# Allegro board meta_carrier_lay_rev1.brd (continued)
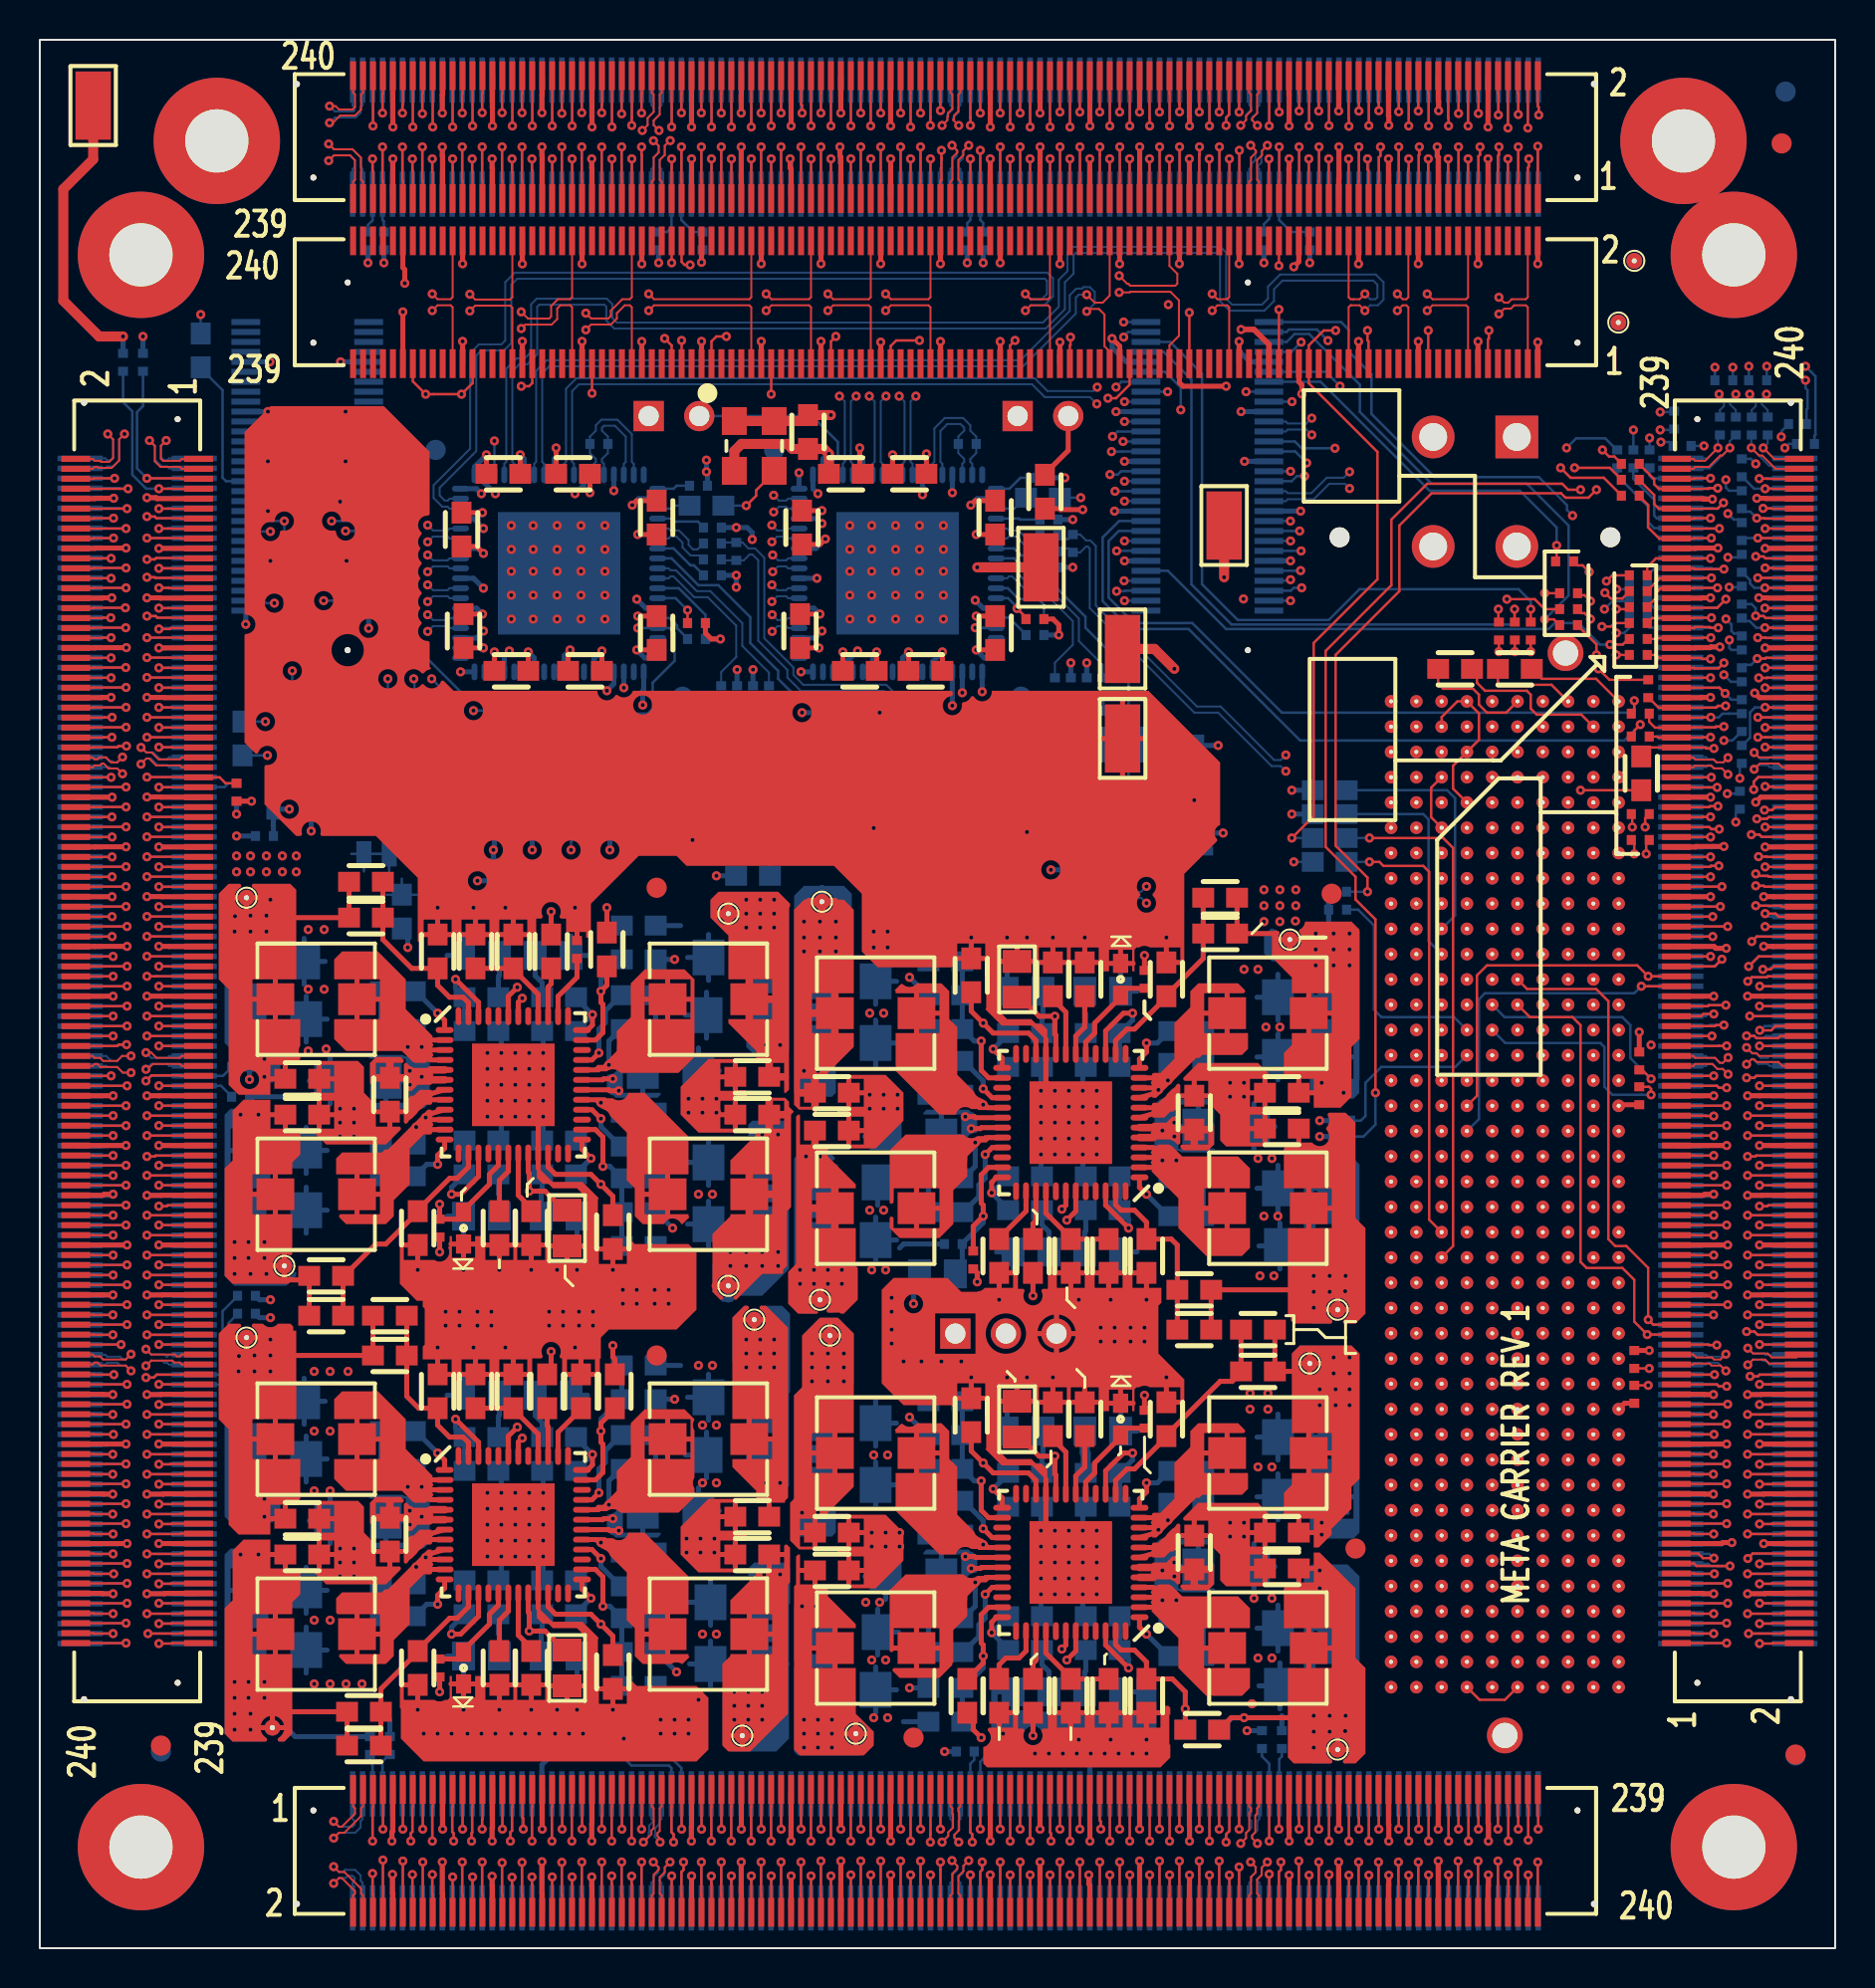
[diagram p0: board, top side]
## Routing (per net, layer and track width the routed paths; a pad name or vN(x,y) marks a point on that pad's centre or on a via; arc(x,y) is an arc through that point) (continued)
  GND_L13 w0.254: 79.3,38.52 79.3,39.08 ; 79.3,38.52 79.86,38.52 ; 79.3,38.52 79.3,37.95 ; 79.3,38.52 78.73,38.52 ; 68.57,25.81 P1.B11 ; P1.B11 69.14,26.38 ; P1.B11 69.14,25.25 ; P1.B11 69.7,25.81 ; 75.48,56.3 75.48,56.86 ; 75.48,56.3 76.05,56.3 ; 75.48,56.3 75.48,55.73 ; 75.48,56.3 74.92,56.3 ; 78.02,44.3 P1.J26 ; P1.J26 78.59,44.86 ; P1.J26 78.02,45.43 ; P1.J26 77.46,44.86 ; P1.B2 69.7,14.38 ; P1.B2 69.14,14.95 ; P1.B2 68.57,14.38 ; P1.B2 69.14,13.82 ; 68.57,20.73 69.14,20.73 ; 69.14,20.73 69.7,20.73 ; 69.14,20.73 69.14,21.3 ; 69.14,20.73 69.14,20.17 ; 67.3,23.27 67.86,23.27 ; 67.86,23.27 67.86,23.84 ; 67.86,23.27 68.43,23.27 ; 67.86,23.27 67.86,22.71 ; 78.73,34.7 P1.K18 ; P1.K18 79.3,35.27 ; P1.K18 79.3,34.14 ; P1.K18 79.86,34.7 ; P1.D13 71.67,28.92 ; P1.D13 71.11,28.35 ; P1.D13 71.67,27.79 ; P1.D13 72.24,28.35 ; 72.38,25.81 P1.E11 ; P1.E11 72.94,26.38 ; P1.E11 72.94,25.25 ; P1.E11 73.51,25.81 ; P1.D22 71.67,40.35 ; P1.D22 71.67,39.22 ; P1.D22 71.11,39.78 ; P1.D22 72.24,39.78 ; 69.84,52.48 P1.C32 ; P1.C32 70.97,52.48 ; P1.C32 70.41,51.92 ; P1.C32 70.41,53.05 ; P1.H39 76.75,61.94 ; P1.H39 77.32,61.38 ; P1.H39 76.75,60.81 ; P1.H39 76.19,61.38 ; 77.46,18.2 78.02,18.2 ; 78.02,18.2 78.59,18.2 ; 78.02,18.2 78.02,18.76 ; 78.02,18.2 78.02,17.63 ; P1.C20 70.97,37.24 ; P1.C20 70.41,36.68 ; P1.C20 69.84,37.24 ; P1.C20 70.41,37.81 ; 77.46,22.01 P1.J8 ; P1.J8 78.02,22.57 ; P1.J8 78.59,22.01 ; P1.J8 78.02,21.44 ; P1.E4 73.51,16.93 ; P1.E4 72.38,16.93 ; P1.E4 72.94,16.36 ; P1.E4 72.94,17.49 ; 76.75,26.52 P1.H12 ; P1.H12 77.32,27.09 ; P1.H12 76.19,27.09 ; P1.H12 76.75,27.65 ; 51.06,29.87 J10.3 ; J10.3 52.07,30.88 ; J10.3 50.05,30.88 ; J10.3 51.06,31.89 ; P1.C38 70.97,60.1 ; P1.C38 70.41,60.67 ; P1.C38 69.84,60.1 ; P1.C38 70.41,59.54 ; P1.B22 69.14,40.35 ; P1.B22 69.14,39.22 ; P1.B22 68.57,39.78 ; P1.B22 69.7,39.78 ; 67.3,58.84 67.86,58.84 ; 67.86,58.84 67.86,58.27 ; 67.86,58.84 68.43,58.84 ; 67.86,58.84 67.86,59.4 ; P1.F27 74.78,46.13 ; P1.F27 73.65,46.13 ; P1.F27 74.22,46.7 ; P1.F27 74.22,45.57 ; 75.48,25.25 P1.G11 ; P1.G11 76.05,25.81 ; P1.G11 74.92,25.81 ; P1.G11 75.48,26.38 ; 79.3,18.9 P1.K6 ; P1.K6 79.86,19.46 ; P1.K6 78.73,19.46 ; P1.K6 79.3,20.03 ; J7.1 75.51,75.93 ; J7.1 74.18,77.26 ; J7.1 72.85,75.93 ; J7.1 74.18,74.6 ; P1.J4 78.59,16.93 ; P1.J4 77.46,16.93 ; P1.J4 78.02,17.49 ; P1.J4 78.02,16.36 ; 79.3,30.9 79.86,30.9 ; 79.3,30.9 79.3,31.46 ; 79.3,30.9 79.3,30.33 ; 79.3,30.9 78.73,30.9 ; P1.A20 68.43,37.24 ; P1.A20 67.86,36.68 ; P1.A20 67.3,37.24 ; P1.A20 67.86,37.81 ; P1.C28 70.97,47.41 ; P1.C28 69.84,47.41 ; P1.C28 70.41,47.97 ; P1.C28 70.41,46.84 ; 71.67,23.98 P1.D10 ; P1.D10 72.24,24.55 ; P1.D10 71.67,25.11 ; P1.D10 71.11,24.55 ; P1.C13 70.97,28.35 ; P1.C13 69.84,28.35 ; P1.C13 70.41,28.92 ; P1.C13 70.41,27.79 ; 72.94,48.11 P1.E29 ; P1.E29 73.51,48.67 ; P1.E29 72.94,49.24 ; P1.E29 72.38,48.67 ; P1.J32 78.59,52.48 ; P1.J32 78.02,51.92 ; P1.J32 77.46,52.48 ; P1.J32 78.02,53.05 ; P1.G38 75.48,60.67 ; P1.G38 75.48,59.54 ; P1.G38 76.05,60.1 ; P1.G38 74.92,60.1 ; 76.19,19.46 P1.H6 ; P1.H6 76.75,18.9 ; P1.H6 77.32,19.46 ; P1.H6 76.75,20.03 ; P1.A4 67.86,17.49 ; P1.A4 67.3,16.93 ; P1.A4 68.43,16.93 ; P1.A4 67.86,16.36 ; 74.22,26.52 P1.F12 ; P1.F12 74.22,27.65 ; P1.F12 74.78,27.09 ; P1.F12 73.65,27.09 ; 69.84,32.16 P1.C16 ; P1.C16 70.97,32.16 ; P1.C16 70.41,31.6 ; P1.C16 70.41,32.73 ; 68.57,46.13 P1.B27 ; P1.B27 69.14,46.7 ; P1.B27 69.14,45.57 ; P1.B27 69.7,46.13 ; P1.B38 69.7,60.1 ; P1.B38 68.57,60.1 ; P1.B38 69.14,59.54 ; P1.B38 69.14,60.67 ; P1.G14 76.05,29.62 ; P1.G14 74.92,29.62 ; P1.G14 75.48,29.06 ; P1.G14 75.48,30.19 ; J7.2 71.31,75.93 ; J7.2 69.98,77.26 ; J7.2 69.98,74.6 ; J7.2 68.65,75.93 ; 69.84,27.09 P1.C12 ; P1.C12 70.97,27.09 ; P1.C12 70.41,27.65 ; P1.C12 70.41,26.52 ; 67.3,52.48 P1.A32 ; P1.A32 67.86,51.92 ; P1.A32 68.43,52.48 ; P1.A32 67.86,53.05 ; 75.48,36.68 P1.G20 ; P1.G20 74.92,37.24 ; P1.G20 75.48,37.81 ; P1.G20 76.05,37.24 ; P1.F6 74.22,20.03 ; P1.F6 73.65,19.46 ; P1.F6 74.78,19.46 ; P1.F6 74.22,18.9 ; 75.48,51.92 P1.G32 ; P1.G32 74.92,52.48 ; P1.G32 75.48,53.05 ; P1.G32 76.05,52.48 ; P1.D25 72.24,43.59 ; P1.D25 71.67,44.16 ; P1.D25 71.67,43.03 ; P1.D25 71.11,43.59 ; 67.86,27.79 P1.A13 ; P1.A13 67.3,28.35 ; P1.A13 67.86,28.92 ; P1.A13 68.43,28.35 ; P1.C8 70.41,22.57 ; P1.C8 69.84,22.01 ; P1.C8 70.41,21.44 ; P1.C8 70.97,22.01 ; 78.02,12.55 78.02,13.12 ; 78.02,13.12 78.02,13.68 ; 78.02,13.12 78.59,13.12 ; 78.02,13.12 77.46,13.12 ; 67.3,42.32 P1.A24 ; P1.A24 68.43,42.32 ; P1.A24 67.86,42.89 ; P1.A24 67.86,41.76 ; 74.92,33.44 75.48,33.44 ; 75.48,33.44 76.05,33.44 ; 75.48,33.44 75.48,34 ; 75.48,33.44 75.48,32.87 ; P1.A36 67.86,58.13 ; P1.A36 67.3,57.56 ; P1.A36 67.86,57 ; P1.A36 68.43,57.56 ; 78.02,33.44 78.02,34 ; 78.02,33.44 78.59,33.44 ; 78.02,33.44 77.46,33.44 ; 78.02,33.44 78.02,32.87 ; 71.67,35.98 71.67,36.54 ; 71.67,35.98 72.24,35.98 ; 71.67,35.98 71.67,35.41 ; 71.67,35.98 71.11,35.98 ; P1.J40 78.59,62.64 ; P1.J40 77.46,62.64 ; P1.J40 78.02,62.08 ; P1.J40 78.02,63.21 ; P1.E26 73.51,44.86 ; P1.E26 72.38,44.86 ; P1.E26 72.94,45.43 ; P1.E26 72.94,44.3 ; 75.48,44.3 P1.G26 ; P1.G26 74.92,44.86 ; P1.G26 76.05,44.86 ; P1.G26 75.48,45.43 ; 76.75,53.19 P1.H33 ; P1.H33 77.32,53.75 ; P1.H33 76.19,53.75 ; P1.H33 76.75,54.32 ; 68.57,41.05 69.14,41.05 ; 69.14,41.05 69.7,41.05 ; 69.14,41.05 69.14,41.62 ; 69.14,41.05 69.14,40.49 ; P1.C24 70.41,42.89 ; P1.C24 70.41,41.76 ; P1.C24 69.84,42.32 ; P1.C24 70.97,42.32 ; 69.14,56.3 69.7,56.3 ; 69.14,56.3 69.14,56.86 ; 69.14,56.3 69.14,55.73 ; 69.14,56.3 68.57,56.3 ; 74.92,18.2 75.48,18.2 ; 75.48,18.2 75.48,17.63 ; 75.48,18.2 75.48,18.76 ; 75.48,18.2 76.05,18.2 ; P1.A16 67.86,32.73 ; P1.A16 67.86,31.6 ; P1.A16 67.3,32.16 ; P1.A16 68.43,32.16 ; 76.19,46.13 P1.H27 ; P1.H27 76.75,46.7 ; P1.H27 77.32,46.13 ; P1.H27 76.75,45.57 ; 67.3,62.64 P1.A40 ; P1.A40 67.86,62.08 ; P1.A40 68.43,62.64 ; P1.A40 67.86,63.21 ; 77.46,48.67 P1.J29 ; P1.J29 78.02,49.24 ; P1.J29 78.02,48.11 ; P1.J29 78.59,48.67 ; 69.14,18.9 P1.B6 ; P1.B6 69.14,20.03 ; P1.B6 68.57,19.46 ; P1.B6 69.7,19.46 ; P1.E14 73.51,29.62 ; P1.E14 72.94,30.19 ; P1.E14 72.38,29.62 ; P1.E14 72.94,29.06 ; 69.14,29.06 P1.B14 ; P1.B14 69.7,29.62 ; P1.B14 69.14,30.19 ; P1.B14 68.57,29.62 ; 68.57,15.65 69.14,15.65 ; 69.14,15.65 69.7,15.65 ; 69.14,15.65 69.14,15.09 ; 69.14,15.65 69.14,16.22 ; P1.K36 79.3,58.13 ; P1.K36 79.3,57 ; P1.K36 78.73,57.56 ; P1.K36 79.86,57.56 ; 72.38,33.44 72.94,33.44 ; 72.94,33.44 72.94,34 ; 72.94,33.44 73.51,33.44 ; 72.94,33.44 72.94,32.87 ; P1.D28 72.24,47.41 ; P1.D28 71.11,47.41 ; P1.D28 71.67,46.84 ; P1.D28 71.67,47.97 ; 68.57,35.98 69.14,35.98 ; 69.14,35.98 69.7,35.98 ; 69.14,35.98 69.14,36.54 ; 69.14,35.98 69.14,35.41 ; 76.75,22.71 76.75,23.27 ; 76.75,23.27 76.75,23.84 ; 76.75,23.27 77.32,23.27 ; 76.75,23.27 76.19,23.27 ; P1.E8 72.94,22.57 ; P1.E8 72.94,21.44 ; P1.E8 72.38,22.01 ; P1.E8 73.51,22.01 ; P1.K2 79.3,14.95 ; P1.K2 79.86,14.38 ; P1.K2 78.73,14.38 ; P1.K2 79.3,13.82 ; 79.3,53.19 P1.K33 ; P1.K33 79.3,54.32 ; P1.K33 78.73,53.75 ; P1.K33 79.86,53.75 ; P1.A28 68.43,47.41 ; P1.A28 67.86,47.97 ; P1.A28 67.86,46.84 ; P1.A28 67.3,47.41 ; 72.38,18.2 72.94,18.2 ; 72.94,18.2 72.94,18.76 ; 72.94,18.2 73.51,18.2 ; 72.94,18.2 72.94,17.63 ; P1.C25 70.41,44.16 ; P1.C25 70.97,43.59 ; P1.C25 69.84,43.59 ; P1.C25 70.41,43.03 ; 70.41,13.12 70.97,13.12 ; 70.41,13.12 70.41,13.68 ; 70.41,13.12 70.41,12.55 ; 70.41,13.12 69.84,13.12 ; 70.41,53.19 P1.C33 ; P1.C33 70.97,53.75 ; P1.C33 70.41,54.32 ; P1.C33 69.84,53.75 ; P1.E38 72.94,60.67 ; P1.E38 72.94,59.54 ; P1.E38 73.51,60.1 ; P1.E38 72.38,60.1 ; P1.J11 78.59,25.81 ; P1.J11 78.02,25.25 ; P1.J11 78.02,26.38 ; P1.J11 77.46,25.81 ; 68.57,61.38 P1.B39 ; P1.B39 69.14,61.94 ; P1.B39 69.7,61.38 ; P1.B39 69.14,60.81 ; 69.84,33.44 70.41,33.44 ; 70.41,33.44 70.97,33.44 ; 70.41,33.44 70.41,32.87 ; 70.41,33.44 70.41,34 ; 78.02,40.49 78.02,41.05 ; 78.02,41.05 77.46,41.05 ; 78.02,41.05 78.59,41.05 ; 78.02,41.05 78.02,41.62 ; 76.19,42.32 P1.H24 ; P1.H24 76.75,42.89 ; P1.H24 76.75,41.76 ; P1.H24 77.32,42.32 ; 74.22,60.81 P1.F39 ; P1.F39 73.65,61.38 ; P1.F39 74.78,61.38 ; P1.F39 74.22,61.94 ; 68.57,44.86 P1.B26 ; P1.B26 69.14,44.3 ; P1.B26 69.14,45.43 ; P1.B26 69.7,44.86 ; 76.75,37.95 76.75,38.52 ; 76.75,38.52 76.19,38.52 ; 76.75,38.52 76.75,39.08 ; 76.75,38.52 77.32,38.52 ; 69.14,23.98 P1.B10 ; P1.B10 69.7,24.55 ; P1.B10 69.14,25.11 ; P1.B10 68.57,24.55 ; 74.22,15.09 74.22,15.65 ; 74.22,15.65 74.78,15.65 ; 74.22,15.65 74.22,16.22 ; 74.22,15.65 73.65,15.65 ; 69.84,18.2 70.41,18.2 ; 70.41,18.2 70.97,18.2 ; 70.41,18.2 70.41,17.63 ; 70.41,18.2 70.41,18.76 ; 72.94,41.05 73.51,41.05 ; 72.94,41.05 72.94,40.49 ; 72.94,41.05 72.94,41.62 ; 72.94,41.05 72.38,41.05 ; 72.94,51.92 P1.E32 ; P1.E32 72.94,53.05 ; P1.E32 72.38,52.48 ; P1.E32 73.51,52.48 ; 74.22,30.33 74.22,30.9 ; 74.22,30.9 74.22,31.46 ; 74.22,30.9 73.65,30.9 ; 74.22,30.9 74.78,30.9 ; 71.67,20.73 72.24,20.73 ; 71.67,20.73 71.67,21.3 ; 71.67,20.73 71.11,20.73 ; 71.67,20.73 71.67,20.17 ; 78.73,46.13 P1.K27 ; P1.K27 79.3,46.7 ; P1.K27 79.86,46.13 ; P1.K27 79.3,45.57 ; 74.92,62.64 P1.G40 ; P1.G40 76.05,62.64 ; P1.G40 75.48,62.08 ; P1.G40 75.48,63.21 ; 74.22,23.27 74.22,23.84 ; 74.22,23.27 73.65,23.27 ; 74.22,23.27 74.22,22.71 ; 74.22,23.27 74.78,23.27 ; P1.K24 79.86,42.32 ; P1.K24 78.73,42.32 ; P1.K24 79.3,42.89 ; P1.K24 79.3,41.76 ; P1.H30 76.75,50.51 ; P1.H30 76.75,49.38 ; P1.H30 77.32,49.95 ; P1.H30 76.19,49.95 ; P1.K12 79.86,27.09 ; P1.K12 79.3,26.52 ; P1.K12 78.73,27.09 ; P1.K12 79.3,27.65 ; 70.41,16.36 P1.C4 ; P1.C4 70.97,16.93 ; P1.C4 69.84,16.93 ; P1.C4 70.41,17.49 ; 74.22,13.82 P1.F2 ; P1.F2 74.22,14.95 ; P1.F2 74.78,14.38 ; P1.F2 73.65,14.38 ; P1.K30 79.86,49.95 ; P1.K30 79.3,49.38 ; P1.K30 78.73,49.95 ; P1.K30 79.3,50.51 ; 76.19,57.56 P1.H36 ; P1.H36 77.32,57.56 ; P1.H36 76.75,57 ; P1.H36 76.75,58.13 ; 72.94,56.3 72.94,56.86 ; 72.94,56.3 72.94,55.73 ; 72.94,56.3 73.51,56.3 ; 72.94,56.3 72.38,56.3 ; 79.3,23.27 79.3,23.84 ; 79.3,23.27 78.73,23.27 ; 79.3,23.27 79.3,22.71 ; 79.3,23.27 79.86,23.27 ; 67.86,21.44 P1.A8 ; P1.A8 67.3,22.01 ; P1.A8 68.43,22.01 ; P1.A8 67.86,22.57 ; 70.41,57 P1.C36 ; P1.C36 69.84,57.56 ; P1.C36 70.41,58.13 ; P1.C36 70.97,57.56 ; 67.3,13.12 67.86,13.12 ; 67.86,13.12 67.86,13.68 ; 67.86,13.12 68.43,13.12 ; 67.86,13.12 67.86,12.55 ; 76.75,15.09 76.75,15.65 ; 76.75,15.65 76.75,16.22 ; 76.75,15.65 77.32,15.65 ; 76.75,15.65 76.19,15.65 ; 71.11,19.46 P1.D6 ; P1.D6 71.67,18.9 ; P1.D6 71.67,20.03 ; P1.D6 72.24,19.46 ; 72.94,13.12 72.94,13.68 ; 72.94,13.12 73.51,13.12 ; 72.94,13.12 72.38,13.12 ; 72.94,13.12 72.94,12.55 ; 76.75,34.14 P1.H18 ; P1.H18 76.19,34.7 ; P1.H18 76.75,35.27 ; P1.H18 77.32,34.7 ; P1.E40 72.94,63.21 ; P1.E40 73.51,62.64 ; P1.E40 72.94,62.08 ; P1.E40 72.38,62.64 ; P1.G8 76.05,22.01 ; P1.G8 75.48,22.57 ; P1.G8 75.48,21.44 ; P1.G8 74.92,22.01 ; 74.22,49.38 P1.F30 ; P1.F30 74.78,49.95 ; P1.F30 74.22,50.51 ; P1.F30 73.65,49.95 ; P1.D16 71.67,32.73 ; P1.D16 72.24,32.16 ; P1.D16 71.67,31.6 ; P1.D16 71.11,32.16 ; 48.1,76.98 J9.1 ; J9.1 50.12,76.98 ; J9.1 49.11,75.97 ; J9.1 49.11,77.99 ; 67.86,53.19 P1.A33 ; P1.A33 67.86,54.32 ; P1.A33 67.3,53.75 ; P1.A33 68.43,53.75 ; 76.75,30.9 76.75,31.46 ; 76.75,30.9 77.32,30.9 ; 76.75,30.9 76.75,30.33 ; 76.75,30.9 76.19,30.9 ; 74.92,16.93 P1.G4 ; P1.G4 75.48,17.49 ; P1.G4 75.48,16.36 ; P1.G4 76.05,16.93 ; 76.75,13.82 P1.H2 ; P1.H2 77.32,14.38 ; P1.H2 76.19,14.38 ; P1.H2 76.75,14.95 ; 75.48,13.12 76.05,13.12 ; 75.48,13.12 75.48,12.55 ; 75.48,13.12 75.48,13.68 ; 75.48,13.12 74.92,13.12 ; 67.3,48.67 P1.A29 ; P1.A29 68.43,48.67 ; P1.A29 67.86,48.11 ; P1.A29 67.86,49.24 ; 67.3,43.59 P1.A25 ; P1.A25 67.86,43.03 ; P1.A25 68.43,43.59 ; P1.A25 67.86,44.16 ; 69.14,30.33 69.14,30.9 ; 69.14,30.9 69.7,30.9 ; 69.14,30.9 69.14,31.46 ; 69.14,30.9 68.57,30.9 ; P1.B31 69.7,51.21 ; P1.B31 69.14,50.65 ; P1.B31 69.14,51.78 ; P1.B31 68.57,51.21 ; 78.02,56.3 78.59,56.3 ; 78.02,56.3 78.02,55.73 ; 78.02,56.3 78.02,56.86 ; 78.02,56.3 77.46,56.3 ; 70.41,38.52 70.97,38.52 ; 70.41,38.52 69.84,38.52 ; 70.41,38.52 70.41,37.95 ; 70.41,38.52 70.41,39.08 ; 69.84,48.67 P1.C29 ; P1.C29 70.41,49.24 ; P1.C29 70.97,48.67 ; P1.C29 70.41,48.11 ; 67.3,27.09 P1.A12 ; P1.A12 68.43,27.09 ; P1.A12 67.86,27.65 ; P1.A12 67.86,26.52 ; P1.G29 76.05,48.67 ; P1.G29 75.48,49.24 ; P1.G29 75.48,48.11 ; P1.G29 74.92,48.67 ; P1.J14 78.02,30.19 ; P1.J14 78.02,29.06 ; P1.J14 77.46,29.62 ; P1.J14 78.59,29.62 ; 74.22,53.19 P1.F33 ; P1.F33 73.65,53.75 ; P1.F33 74.22,54.32 ; P1.F33 74.78,53.75 ; 71.67,58.27 71.67,58.84 ; 71.67,58.84 72.24,58.84 ; 71.67,58.84 71.11,58.84 ; 71.67,58.84 71.67,59.4 ; P1.J38 78.02,60.67 ; P1.J38 78.02,59.54 ; P1.J38 78.59,60.1 ; P1.J38 77.46,60.1 ; 70.41,62.08 P1.C40 ; P1.C40 69.84,62.64 ; P1.C40 70.97,62.64 ; P1.C40 70.41,63.21 ; 70.41,22.71 70.41,23.27 ; 70.41,23.27 69.84,23.27 ; 70.41,23.27 70.41,23.84 ; 70.41,23.27 70.97,23.27 ; P1.D39 72.24,61.38 ; P1.D39 71.67,61.94 ; P1.D39 71.11,61.38 ; P1.D39 71.67,60.81 ; 67.86,38.52 68.43,38.52 ; 67.86,38.52 67.86,37.95 ; 67.86,38.52 67.3,38.52 ; 67.86,38.52 67.86,39.08 ; P1.D2 72.24,14.38 ; P1.D2 71.11,14.38 ; P1.D2 71.67,14.95 ; P1.D2 71.67,13.82 ; 74.22,38.52 74.22,39.08 ; 74.22,38.52 74.22,37.95 ; 74.22,38.52 74.78,38.52 ; 74.22,38.52 73.65,38.52 ; P1.B30 69.14,50.51 ; P1.B30 68.57,49.95 ; P1.B30 69.7,49.95 ; P1.B30 69.14,49.38 ; 72.38,37.24 P1.E20 ; P1.E20 72.94,36.68 ; P1.E20 73.51,37.24 ; P1.E20 72.94,37.81 ; 67.86,17.63 67.86,18.2 ; 67.86,18.2 67.86,18.76 ; 67.86,18.2 67.3,18.2 ; 67.86,18.2 68.43,18.2 ; P1.F36 74.78,57.56 ; P1.F36 73.65,57.56 ; P1.F36 74.22,58.13 ; P1.F36 74.22,57 ; 67.86,33.44 68.43,33.44 ; 67.86,33.44 67.3,33.44 ; 67.86,33.44 67.86,34 ; 67.86,33.44 67.86,32.87 ; 73.65,42.32 P1.F24 ; P1.F24 74.78,42.32 ; P1.F24 74.22,41.76 ; P1.F24 74.22,42.89 ; 78.02,36.68 P1.J20 ; P1.J20 77.46,37.24 ; P1.J20 78.59,37.24 ; P1.J20 78.02,37.81 ; P1.B18 69.7,34.7 ; P1.B18 68.57,34.7 ; P1.B18 69.14,34.14 ; P1.B18 69.14,35.27 ; 74.22,34.14 P1.F18 ; P1.F18 73.65,34.7 ; P1.F18 74.22,35.27 ; P1.F18 74.78,34.7 ; 71.67,15.65 72.24,15.65 ; 71.67,15.65 71.11,15.65 ; 71.67,15.65 71.67,15.09 ; 71.67,15.65 71.67,16.22 ; P1.K39 79.86,61.38 ; P1.K39 79.3,60.81 ; P1.K39 78.73,61.38 ; P1.K39 79.3,61.94 ; 75.48,40.49 75.48,41.05 ; 75.48,41.05 74.92,41.05 ; 75.48,41.05 75.48,41.62 ; 75.48,41.05 76.05,41.05 ; P1.B34 69.7,55.02 ; P1.B34 69.14,54.46 ; P1.B34 68.57,55.02 ; P1.B34 69.14,55.59 ; 79.3,15.09 79.3,15.65 ; 79.3,15.65 79.86,15.65 ; 79.3,15.65 78.73,15.65 ; 79.3,15.65 79.3,16.22
  BOTTOM w0.254: 51.06,29.87 J10.3 ; J10.3 50.05,30.88 ; J10.3 52.07,30.88 ; J10.3 51.06,31.89 ; R104.2 30.93,34.13 ; C135.2 v1(35.02,64.24) ; C108.2 50.28,44.23 v1(50.28,43.08) ; 41.98,22.13 C129.2 ; C129.2 43.03,23.28 ; C129.2 41.98,24.43 ; v1(86.18,57.58) 86.18,57.59 86.43,57.84 J6.172 ; v1(83.91,57.83) 82.43,57.83 J6.171 ; J11.31 67.75,89.89 v1(67.73,89.91) ; J15.49 v1(5.38,62.84) ; 33.48,23.63 C141.2 ; C141.2 32.43,24.78 ; C141.2 33.48,25.93 ; J15.129 v1(5.38,42.83) ; C81.2 v1(59.43,56.03) ; v1(17.68,5.38) 17.68,5.84 17.71,5.87 J12.9 ; C186.2 13.28,50.73 ; C186.2 13.28,48.43 ; C186.2 14.33,49.58 ; R140.1 12.48,42.78 ; 55.11,48.08 C88.2 54.28,49.06 ; v1(50.28,39.88) 50.28,38.83 C109.2 ; J12.150 52.74,3.62 v1(52.68,3.68) ; C80.2 60.98,20.33 ; C80.2 60.98,18.03 ; C80.2 62.03,19.18 ; v1(27.72,89.91) J11.191 ; v1(37.68,89.91) 37.73,89.86 J11.151 ; J6.92 v1(85.77,37.82) ; J8.12 v1(54.48,69.7) ; 41.98,25.23 C128.2 ; C128.2 43.03,26.38 ; C128.2 41.98,27.53 ; v1(84.07,47.83) 82.42,47.83 J6.131 ; R110.2 30.93,12.03 30.38,11.48 29.28,11.48 ; v1(22.72,3.61) J12.30 ; 20.45,27.78 C170.2 21.28,28.76 ; v1(86.58,52.83) 88.14,52.83 J6.152 ; C159.2 25.28,40.63 v1(25.28,41.78) ; 13.28,26.33 C187.2 ; C187.2 14.33,27.48 ; C187.2 13.28,28.63 ; v1(25.28,22.88) 25.28,23.93 C161.2 ; J6.51 v1(84.06,27.82) ; C168.2 23.18,40.73 v1(23.18,41.78) ; J12.50 v1(27.72,3.58) ; U7.56 39.33,74.83 39.58,75.08 v1(39.63,75.08) ; 61.13,16.08 C78.2 ; C78.2 62.18,17.23 ; C78.2 62.18,14.93 ; J15.130 3.68,42.83 v1(3.68,42.83) ; v1(47.73,3.68) 47.73,3.68 J12.130 ; v1(37.73,3.63) 37.73,3.62 J12.90 ; 21.28,35.8 C169.2 20.45,36.78 ; 20.45,14.68 C173.2 21.28,13.7 ; C133.2 33.68,18.53 ; C133.2 32.63,17.38 ; C133.2 33.68,16.23 ; 62.18,24.53 C76.2 ; C76.2 61.13,25.68 ; C76.2 62.18,26.83 ; J15.70 2.04,57.83 v1(3.63,57.83) ; 54.28,26.96 C92.2 55.11,25.98 ; J12.229 v1(72.75,5.38) ; v1(50.28,20.98) 50.28,22.13 C111.2 ; 21.28,50.86 C166.2 20.45,49.88 ; C112.2 50.28,16.73 v1(50.28,17.78) ; v1(52.38,20.98) 52.38,22.03 C93.2 ; C180.2 14.43,46.68 ; C180.2 13.38,45.53 ; C180.2 13.38,47.83 ; 26.68,28.76 C165.2 27.51,27.78 ; J6.132 v1(85.77,47.83) ; 54.28,11.9 C95.2 55.11,12.88 ; J12.129 v1(47.73,5.38) ; v1(84.07,42.83) 84.07,42.83 J6.111 ; J6.31 v1(84.05,22.81) ; R99.2 32.18,51.38 ; J12.189 v1(62.75,5.38) ; v1(3.61,67.85) 2.03,67.85 ; C178.2 14.58,44.73 ; C178.2 13.53,43.58 ; C178.2 14.58,42.43 ; J6.71 v1(84.06,32.82) ; J14.22 v1(11.46,72.2) ; J12.110 42.73,2.03 v1(42.73,3.68) ; J6.32 v1(85.77,22.81) ; v1(86.12,63.06) 86.13,63.06 86.13,63.07 86.36,62.84 86.77,62.84 J6.192 ; J15.230 v1(3.68,17.81) ; 41.98,34.43 C127.2 ; C127.2 41.98,36.73 ; C127.2 43.03,35.58 ; J15.190 v1(3.67,27.82) ; 44.63,28.63 R84.2 43.83,28.21 ; 32.43,46.88 C140.2 ; C140.2 33.48,48.03 ; C140.2 33.48,45.73 ; 33.08,20.83 C151.2 ; C151.2 34.13,21.98 ; C151.2 33.08,23.13 ; J15.109 v1(5.38,47.83) ; U7.24 44.83,64.63 v1(45.33,65.13) ; J15.210 v1(3.66,22.81) ; 13.38,38.93 C181.2 ; C181.2 14.43,40.08 ; C181.2 13.38,41.23 ; v1(32.73,3.63) 32.73,2.04 J12.70 ; 48.88,34 C105.2 48.05,34.98 ; R51.1 62.38,11.68 ; 13.38,16.83 C184.2 ; C184.2 14.43,17.98 ; C184.2 13.38,19.13 ; v1(23.18,19.68) 23.18,18.63 C172.2 ; J11.111 47.73,88.13 v1(47.73,89.91) ; R111.1 30.48,10.53 ; R111.1 29.98,11.01 ; R111.1 v1(29.33,10.53) ; J12.109 v1(42.73,5.38) ; v1(22.43,75.03) 21.83,74.43 U10.55 ; 27.81,14.68 C163.2 26.98,13.7 ; 41.43,18.68 C121.2 ; C121.2 42.48,19.83 ; C121.2 42.48,17.53 ; J6.231 83.66,72.85 83.71,72.8 v1(84,72.8) ; C179.2 15.63,21.48 ; C179.2 14.58,20.33 ; C179.2 13.53,21.48 ; C179.2 14.58,22.63 ; J8.41 v1(60.33,77.2) ; J11.51 v1(62.75,89.91) ; J14.12 v1(11.58,69.7) ; 61.23,35.28 C71.2 ; C71.2 62.28,36.43 ; C71.2 62.28,34.13 ; C149.2 v1(34.18,65.78) ; C124.2 42.08,17.03 ; C124.2 43.13,15.88 ; C124.2 42.08,14.73 ; 33.58,38.33 C137.2 ; C137.2 33.58,40.63 ; C137.2 32.53,39.48 ; v1(27.73,91.5) 27.73,91.96 27.72,91.98 J11.192 ; 33.58,35.23 C138.2 ; C138.2 32.53,36.38 ; C138.2 33.58,37.53 ; v1(32.73,91.5) 32.73,91.96 32.72,91.97 J11.172 ; v1(52.73,89.91) 52.73,88.14 J11.91 ; v1(72.73,91.5) 72.73,91.96 72.75,91.98 J11.12 ; J15.90 3.62,52.84 v1(3.63,52.83) ; J12.169 v1(57.74,5.38) ; 13.38,35.93 C182.2 ; C182.2 14.43,37.08 ; C182.2 13.38,38.23 ; U10.24 27.83,64.78 v1(28.23,65.18) ; 41.98,11.83 C130.2 ; C130.2 41.98,14.13 ; C130.2 43.03,12.98 ; 7.75,67.85 v1(5.38,67.85) ; J14.31 v1(15.36,74.7) ; 41.98,47.43 C125.2 ; C125.2 41.98,49.73 ; C125.2 43.03,48.58 ; 48.05,12.88 C106.2 48.88,11.9 ; C79.2 60.98,42.43 ; C79.2 62.03,41.28 ; C79.2 60.98,40.13 ; C104.2 v1(51.18,65.98) ; v1(22.72,89.91) J11.211 ; J14.52 v1(11.55,79.7) ; v1(62.81,69.7) J8.11 ; J12.190 v1(62.75,3.67) ; 13.38,13.83 C185.2 ; C185.2 14.43,14.98 ; C185.2 13.38,16.13 ; J6.52 v1(85.77,27.82) ; C101.2 v1(51.88,69.38) ; J6.72 v1(85.77,32.82) ; v1(32.73,89.91) 32.72,89.9 J11.171 ; 61.13,44.78 C74.2 ; C74.2 62.18,43.63 ; C74.2 62.18,45.93 ; J6.11 v1(84.07,17.81) ; v1(37.73,91.55) 37.73,92.01 37.73,92.02 J11.152 ; v1(52.38,39.88) 52.38,38.93 C90.2 ; J11.131 42.73,88.13 v1(42.73,89.91) ; J14.41 v1(15.36,77.2) ; J15.50 v1(3.58,62.84) ; J6.232 86.69,72.85 86.69,72.85 v1(86.23,72.85) ; C122.2 v1(41.88,56.28) ; v1(25.28,19.68) 25.28,18.53 C162.2 ; v1(53.85,80.88) 53.85,80.42 54.57,79.7 J8.52 ; C72.2 62.28,14.33 ; C72.2 62.28,12.03 ; C72.2 61.23,13.18 ; J14.21 15.55,72.2 v1(15.08,72.68) ; v1(33.23,84.7) 33.23,85.28 R97.1 ; J6.112 v1(85.77,42.83) ; R141.1 v1(9.88,56.98) ; C146.2 v1(34.98,68.98) v1(34.98,68.38) ; C158.2 25.28,46.03 v1(25.28,44.98) ; C134.2 33.68,15.43 ; C134.2 33.68,13.13 ; C134.2 32.63,14.28 ; 26.98,35.8 C160.2 27.81,36.78 ; J15.10 v1(3.71,72.85) ; v1(84.07,37.88) 84.01,37.82 J6.91 ; v1(53.98,72.2) J8.22 ; v1(11.58,31.68) 11.03,31.68 R137.1 ; C150.2 34.13,44.08 ; C150.2 33.08,42.93 ; C150.2 33.08,45.23 ; J6.151 83.76,52.84 83.77,52.83 v1(83.91,52.83) ; C73.2 62.18,48.93 ; C73.2 61.13,47.78 ; C73.2 62.18,46.63 ; 41.43,40.78 C120.2 42.48,41.93 ; v1(35.78,70.78) 35.78,71.13 35.53,71.38 v1(34.98,71.38) C143.2 ; J8.21 v1(63.32,72.2) ; v1(52.74,5.38) J12.149 52.74,9.14 ; v1(72.73,89.91) 72.75,89.88 J11.11 ; J12.209 v1(67.75,5.38) ; J11.72 v1(57.74,91.55) ; 88.14,67.85 v1(86.33,67.85) ; C126.2 43.03,45.48 ; C126.2 41.98,44.33 ; C126.2 41.98,46.63 ; J6.12 v1(85.77,17.81) ; C98.2 v1(51.88,71.78) ; C147.2 33.53,74.13 v1(33.48,74.18) v1(33.48,74.77) ; C171.2 23.18,23.83 v1(23.18,22.88) ; R92.1 v1(35.82,64.24) ; J15.170 v1(3.67,32.82) ; J11.32 v1(67.75,91.59) ; J12.49 v1(27.72,5.38) ; 32.53,27.68 C139.2 ; C139.2 33.58,26.53 ; C139.2 33.58,28.83 ; C96.2 v1(51.78,64.58) ; J11.52 v1(62.75,91.55) ; 43.13,38.48 C123.2 42.08,37.33 ; J11.132 v1(42.73,91.55) ; v1(17.73,91.5) 17.73,91.96 17.71,91.98 J11.232 ; C77.2 62.18,23.83 ; C77.2 62.18,21.53 ; C77.2 61.13,22.68 ; J11.92 v1(52.74,91.55) ; J11.231 17.71,89.88 v1(17.73,89.91) ; 43.18,35.18 43.38,35.38 R79.2 ; 33.58,48.63 C136.2 ; C136.2 32.53,49.78 ; C136.2 33.58,50.93 ; 55.11,34.98 C91.2 54.28,34 ; U6.3 v1(49.58,56.08) ; v1(5.38,72.88) 5.84,72.88 5.87,72.85 J15.9 ; v1(22.73,91.55) 22.73,92.48 22.72,92.5 J11.212 ; 61.13,38.18 C75.2 ; C75.2 62.18,37.03 ; C75.2 62.18,39.33 ; R74.1 48.63,10.53 v1(48.38,10.78) ; C82.2 v1(57.98,57.68) ; 13.38,23.43 C183.2 ; C183.2 13.38,25.73 ; C183.2 14.43,24.58 ; C89.2 52.38,44.13 v1(52.38,43.08) ; R105.2 32.18,29.28 ; v1(57.73,89.91) 57.74,89.9 J11.71 ; J15.189 v1(5.38,27.82) ; J15.169 v1(5.38,32.82) ; v1(60.23,80.73) 60.23,80.25 60.78,79.7 J8.51 ; J8.31 v1(60.5,74.7) ; J15.149 v1(5.38,37.82) ; J15.209 v1(5.38,22.81) ; 48.58,26.96 C110.2 47.75,25.98 ; J15.69 v1(5.38,57.84) ; C167.2 23.18,45.93 v1(23.18,44.98) ; J8.42 v1(54.05,77.2) ; J15.110 2.03,47.83 v1(3.68,47.83) ; v1(3.68,37.88) 3.62,37.82 J15.150 ; 27.51,49.88 C164.2 26.68,50.86 ; J12.29 v1(22.72,5.38) ; v1(83.91,67.85) 82.42,67.85 ; R75.1 v1(47.38,84.68) ; U8.3 v1(32.78,55.68) ; C102.2 v1(51.48,73.88) ; J12.69 v1(32.72,5.38) ; J14.51 v1(15.11,79.7) ; C131.2 v1(42.18,62.08) ; J12.230 v1(72.75,3.68) ; R42.1 v1(64.28,41.58) ; R89.2 43.38,11.38 ; J15.229 v1(5.38,17.81) ; J12.170 v1(57.74,3.67) ; R50.1 v1(63.78,84.68) ; J15.89 v1(5.38,52.84) ; C94.2 52.38,16.83 v1(52.38,17.78) ; J14.32 v1(11.46,74.7) ; R144.1 v1(4.18,80.98) ; J14.11 v1(15.4,69.7) ; J12.10 v1(17.71,3.71) ; R80.2 43.08,49.58 ; R131.1 v1(17.28,84.68) ; J11.112 v1(47.73,91.5) ; R66.1 v1(52.58,64.58) ; R130.1 17.58,11.48 ; 47.75,48.08 C107.2 48.58,49.06 ; J14.42 v1(11.46,77.2) ; v1(54.48,74.7) J8.32 ; J12.210 v1(67.75,3.66) ; R43.1 v1(64.28,40.78) ; J12.89 v1(37.73,5.38) ; J6.191 v1(83.91,62.84)
  vias: v1(13.48,51.18) v1(13.48,48.18) v1(13.48,45.08) v1(13.78,28.98) v1(13.78,25.98) v1(13.78,22.98) v1(13.78,16.48) v1(13.78,13.28) v1(14.28,51.18) v1(14.28,48.18) v1(14.38,45.18) v1(14.58,28.98) v1(14.58,25.98) v1(14.58,22.98) v1(14.58,16.48) v1(14.58,13.28) v1(15.08,42.18) v1(15.08,41.48) v1(15.08,40.78) v1(15.08,20.08) v1(15.08,19.38) v1(15.08,18.68) v1(15.38,13.28) v1(15.48,28.98) v1(15.78,42.18) v1(15.78,41.48) v1(15.78,40.78) v1(15.78,20.08) v1(15.78,19.38) v1(15.78,18.68) v1(16.18,13.28) v1(18.98,34.08) v1(18.98,11.98) v1(19.28,10.78) v1(19.98,52.28) v1(19.98,30.18) v1(19.98,10.78) v1(20.38,31.98) v1(20.38,31.28) v1(20.68,10.78) v1(21.08,31.98) v1(21.08,31.28) v1(21.28,34.08) v1(21.28,11.98) v1(21.48,10.78) v1(21.78,52.28) v1(21.78,30.18) v1(21.98,31.98) v1(21.98,31.28) v1(22.18,10.78) v1(22.48,44.98) v1(22.48,44.18) v1(22.48,43.38) v1(22.48,42.58) v1(22.48,41.78) v1(22.48,22.88) v1(22.48,22.08) v1(22.48,21.28) v1(22.48,20.48) v1(22.48,19.68) v1(22.68,31.98) v1(22.68,31.28) v1(22.88,10.78) v1(23.08,34.08) v1(23.08,11.98) v1(23.18,44.18) v1(23.18,43.38) v1(23.18,42.58) v1(23.18,22.08) v1(23.18,21.28) v1(23.18,20.48) v1(23.38,52.28) v1(23.38,30.18) v1(23.68,71.48) v1(23.68,70.28) v1(23.68,69.18) v1(23.68,67.98) v1(23.68,66.78) v1(23.68,10.78) v1(23.88,44.98) v1(23.88,44.18) v1(23.88,43.38) v1(23.88,42.58) v1(23.88,41.78) v1(23.88,22.88) v1(23.88,22.08) v1(23.88,21.28) v1(23.88,20.48) v1(23.88,19.68) v1(24.38,10.78) v1(24.58,44.98) v1(24.58,44.18) v1(24.58,43.38) v1(24.58,42.58) v1(24.58,22.88) v1(24.58,22.08) v1(24.58,21.28) v1(24.58,20.48) v1(24.68,34.08) v1(24.68,11.98) v1(24.78,71.48) v1(24.78,70.28) v1(24.78,69.18) v1(24.78,67.98) v1(24.78,66.78) v1(25.08,10.78) v1(25.28,44.18) v1(25.28,43.38) v1(25.28,42.58) v1(25.28,22.08) v1(25.28,21.28) v1(25.28,20.48) v1(25.58,31.98) v1(25.58,31.28) v1(25.88,10.78) v1(25.98,71.48) v1(25.98,70.28) v1(25.98,69.18) v1(25.98,67.98) v1(25.98,66.78) v1(25.98,34.08) v1(25.98,11.98) v1(26.28,31.98) v1(26.28,31.28) v1(26.58,10.78) v1(26.88,52.28) v1(26.88,30.18) v1(26.98,34.08) v1(26.98,11.98) v1(27.08,31.98) v1(27.08,31.28) v1(27.18,71.48) v1(27.18,70.28) v1(27.18,69.18) v1(27.18,67.98) v1(27.18,66.78) v1(27.28,10.78) v1(27.78,31.98) v1(27.78,31.28) v1(28.38,71.48) v1(28.38,70.28) v1(28.38,69.18) v1(28.38,67.98) v1(28.38,66.78) v1(28.78,34.08) v1(28.78,11.98) v1(29.28,33.08) v1(29.28,32.38) v1(29.98,33.08) v1(29.98,32.38) v1(30.88,33.08) v1(30.88,32.38) v1(31.18,11.48) v1(31.18,10.78) v1(31.58,33.08) v1(31.58,32.38) v1(31.88,11.48) v1(31.88,10.78) v1(32.48,20.58) v1(32.48,19.88) v1(32.58,42.68) v1(32.58,41.98) v1(32.58,11.48) v1(32.58,10.78) v1(33.08,37.88) v1(33.08,29.28) v1(33.08,12.48) v1(33.18,20.58) v1(33.18,19.88) v1(33.28,42.68) v1(33.28,41.98) v1(33.28,26.28) v1(33.28,23.38) v1(33.28,15.78) v1(33.78,37.88) v1(33.78,29.28) v1(33.88,20.58) v1(33.88,19.88) v1(33.98,42.68) v1(33.98,41.98) v1(33.98,26.28) v1(33.98,23.38) v1(33.98,15.78) v1(40.68,71.48) v1(40.68,70.28) v1(40.68,69.18) v1(40.68,67.98) v1(40.68,66.78) v1(41.48,17.38) v1(41.68,46.98) v1(41.68,42.88) v1(41.68,42.18) v1(41.68,37.08) v1(41.78,71.48) v1(41.78,70.28) v1(41.78,69.18) v1(41.78,67.98) v1(41.78,66.78) v1(41.78,34.08) v1(41.78,20.88) v1(41.78,20.18) v1(41.78,14.48) v1(41.88,51.08) v1(41.88,50.28) v1(41.88,24.78) v1(41.88,11.58) v1(42.18,17.38) v1(42.38,46.98) v1(42.38,42.88) v1(42.38,42.18) v1(42.38,37.08) v1(42.48,34.08) v1(42.48,20.88) v1(42.48,20.18) v1(42.48,14.48) v1(42.58,51.08) v1(42.58,50.28) v1(42.58,24.78) v1(42.58,11.58) v1(42.78,32.68) v1(42.78,31.98) v1(42.78,31.08) v1(42.78,30.38) v1(42.98,71.48) v1(42.98,70.28) v1(42.98,69.18) v1(42.98,67.98) v1(42.98,66.78) v1(43.08,42.88) v1(43.08,42.18) v1(43.18,20.88) v1(43.18,20.18) v1(43.38,29.48) v1(44.18,71.48) v1(44.18,70.28) v1(44.18,69.18) v1(44.18,67.98) v1(44.18,66.78) v1(44.28,29.48) v1(45.28,29.48) v1(45.38,71.48) v1(45.38,70.28) v1(45.38,69.18) v1(45.38,67.98) v1(45.38,66.78) v1(46.28,29.48) v1(46.78,50.78) v1(46.78,28.68) v1(48.18,32.58) v1(48.58,50.78) v1(48.58,28.68) v1(49.58,50.78) v1(49.58,28.68) v1(49.98,9.78) v1(50.28,42.28) v1(50.28,41.48) v1(50.28,40.68) v1(50.28,20.18) v1(50.28,19.38) v1(50.28,18.58) v1(50.68,9.78) v1(50.88,50.78) v1(50.88,28.68) v1(50.98,42.28) v1(50.98,41.48) v1(50.98,40.68) v1(50.98,39.88) v1(50.98,20.18) v1(50.98,19.38) v1(50.98,18.58) v1(50.98,17.78) v1(51.38,9.78) v1(51.68,43.08) v1(51.68,42.28) v1(51.68,41.48) v1(51.68,40.68) v1(51.68,39.88) v1(51.68,20.98) v1(51.68,20.18) v1(51.68,19.38) v1(51.68,18.58) v1(51.68,17.78) v1(52.08,9.78) v1(52.18,32.58) v1(52.18,10.48) v1(52.38,42.28) v1(52.38,41.48) v1(52.38,40.68) v1(52.38,20.18) v1(52.38,19.38) v1(52.38,18.58) v1(52.48,50.78) v1(52.48,28.68) v1(52.78,9.78) v1(53.08,43.08) v1(53.08,42.28) v1(53.08,41.48) v1(53.08,40.68) v1(53.08,39.88) v1(53.08,20.98) v1(53.08,20.18) v1(53.08,19.38) v1(53.08,18.58) v1(53.08,17.78) v1(53.28,31.18) v1(53.28,30.48) v1(53.48,9.78) v1(53.78,32.58) v1(53.78,10.48) v1(53.98,31.18) v1(53.98,30.48) v1(54.18,9.78) v1(54.28,50.78) v1(54.28,28.68) v1(54.78,31.18) v1(54.78,30.48) v1(54.88,9.78) v1(55.48,31.18) v1(55.48,30.48) v1(55.58,32.58) v1(55.58,10.48) v1(55.58,9.78) v1(56.58,50.78) v1(56.58,28.68) v1(56.68,82.58) v1(59.78,44.18) v1(59.78,43.48) v1(59.78,42.78) v1(59.78,22.08) v1(59.78,21.38) v1(59.78,20.68) v1(60.48,49.18) v1(60.48,44.18) v1(60.48,43.48) v1(60.48,42.78) v1(60.48,22.08) v1(60.48,21.38) v1(60.48,20.68) v1(60.78,27.88) v1(60.78,27.08) v1(60.88,12.28) v1(60.98,17.58) v1(61.18,49.18) v1(61.18,39.68) v1(61.18,24.18) v1(61.18,14.58) v1(61.28,33.78) v1(61.48,36.78) v1(61.58,46.28) v1(61.68,27.88) v1(61.68,27.08) v1(61.88,39.68) v1(61.88,24.18) v1(61.88,17.58) v1(61.88,14.58) v1(61.98,33.78) v1(62.18,36.78) v1(62.28,46.28)
